# Altium PCB Shuttler_AMC.PcbDoc (part 7 of 12)
Units mm, origin at the board's own origin, x right, y up, seen from the top; angles counter-clockwise.
Board outline 180.71 x 148.55 mm, 12 copper layers (Layer 1, Layer 2, Layer 3, Layer 4, Layer 5, Layer 6, Layer 7, Layer 8, Layer 9, Layer 10, Layer 11, Layer 12), stack 2.14 mm thick; 1184 components, 1698 nets, 9088 pads, 920 vias.
Unrouted connection lines stored in the file: 1441.
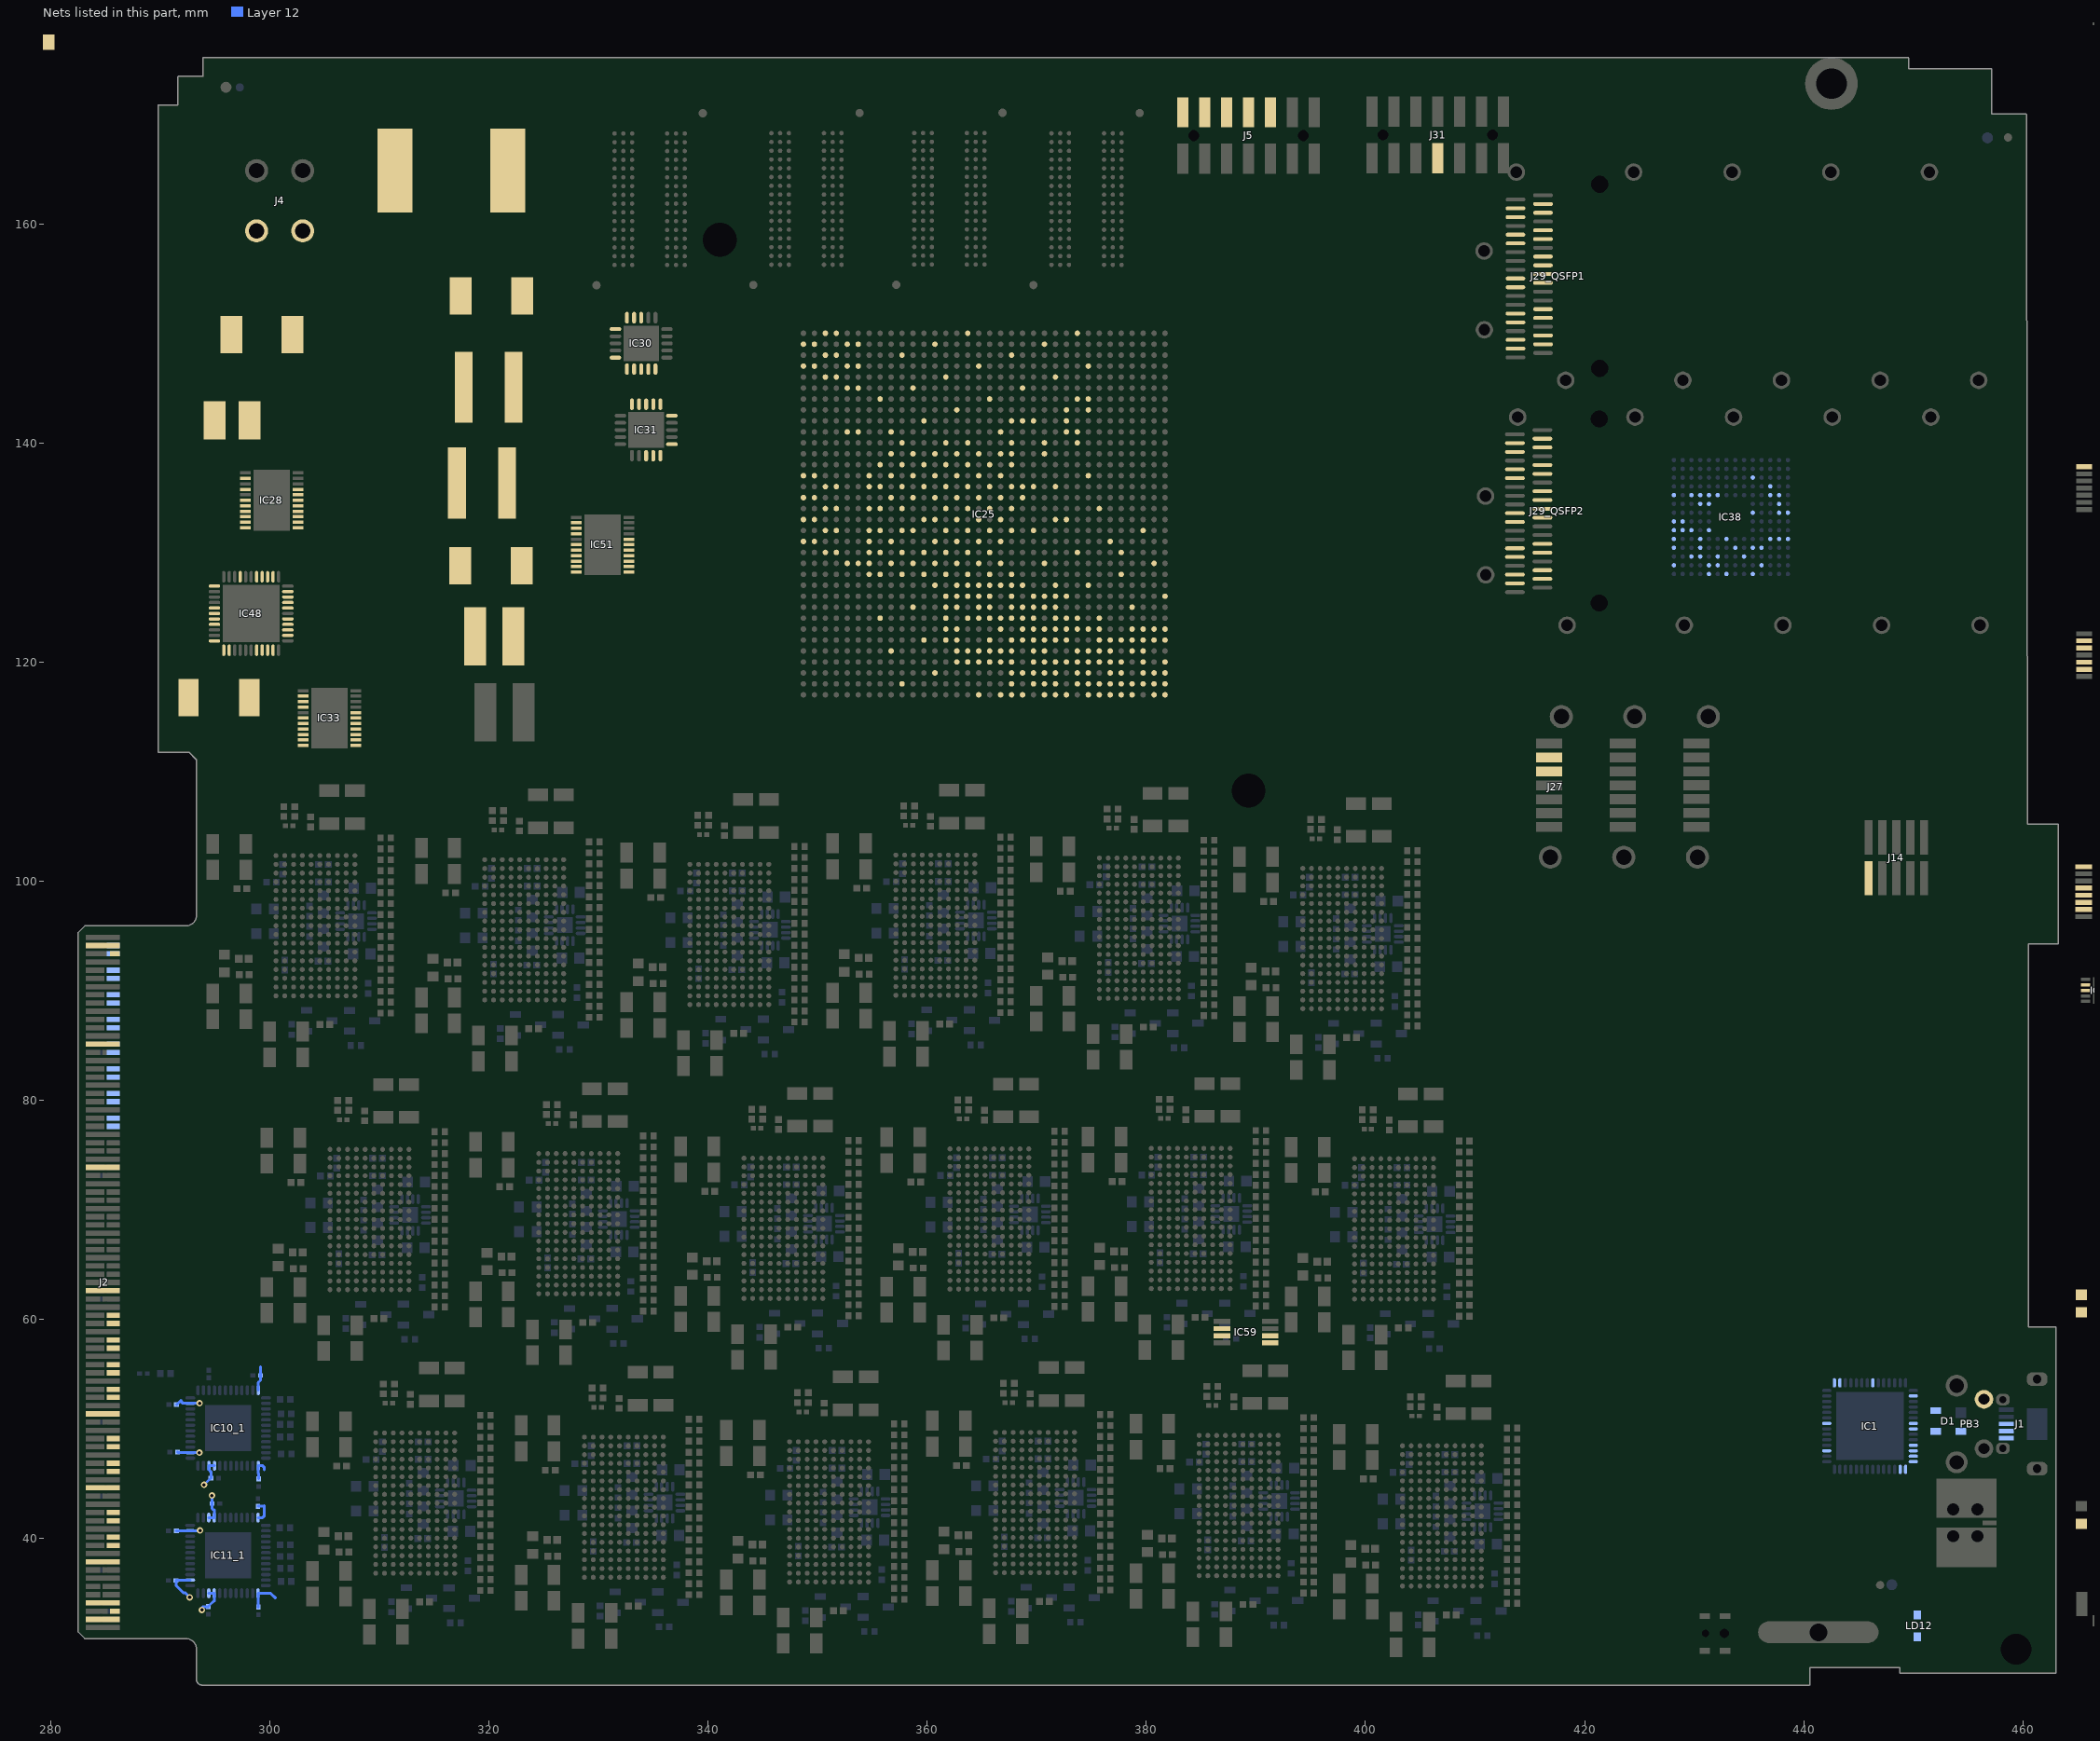
[diagram p13: the nets of this part, all layers, seen from the top]

## Via types
v1: diameter 0.356, hole 0.155, Layer 1 to Layer 12, 431 vias
v2: diameter 0.3, hole 0.1, Layer 1 to Layer 12, 429 vias
v3: diameter 0.6, hole 0.3, Layer 1 to Layer 12, 38 vias
v4: diameter 0.406, hole 0.203, Layer 1 to Layer 12, 22 vias

## Nets (pads, with @x,y where several pads share a name; then routed paths per layer and width w, separated by ;. In a path a pad name is that pad's centre, name@x,y a point inside that pad or via, vN(x,y) a via of type N, cw(c..) or ccw(c..) an arc to the next point about the centre after c; other vN are vias at no path point) (continued)
NetOSC4_4: 
NetR46_1: 
NetR46_2: 
NetR188_2: 
NetR190_2: 
NetR191_2: 
NetR216_2: 
NetR229_2: 
NetR241_2: 
NetR247_1: 
NetR312_2: 
NetR335_1: 
NetR336_2: 
NetR337_2: 
NetR338_2: 
NetR339_1: 
NetR364_Amplifier1_2: 
NetR364_Amplifier2_2: 
NetR364_Amplifier3_2: 
NetR364_Amplifier4_2: 
NetR364_Amplifier5_2: 
NetR364_Amplifier6_2: 
NetR364_Amplifier7_2: 
NetR364_Amplifier8_2: 
NetR364_Amplifier9_2: 
NetR364_Amplifier10_2: 
NetR364_Amplifier11_2: 
NetR364_Amplifier12_2: 
NetR364_Amplifier13_2: 
NetR364_Amplifier14_2: 
NetR364_Amplifier15_2: 
NetR364_Amplifier16_2: 
NetR364_Amplifier17_2: 
NetR364_Amplifier18_2: 
NetR384_2: 
NetR397_2: 
NetR404_2: 
NetR522_2: 
NetT23_2: 
OSC1_PWR: L35.1
OSC2_PWR: L36.1
OUT_N: IC56.29
OUT_P: IC56.30
OVERTEMPn: IC8.3 IC34.3 IC35.3 IC36.3 IC37.6 IC38.F11
P0V9: L25.2
P0V95: IC30.1 IC30.18 IC30.19 IC30.20 L23.1
P1: IC38.G5
P1V0: L40.1
P1V2: IC30.5 IC30.6 IC30.7 IC30.8 IC31.1 IC31.18 IC31.19 IC31.20 L24.1
P1V5: IC18.2 IC25.AD17 IC25.AE14 IC25.AE24 IC25.AF21 IC25.AG18 IC25.AG28 IC25.AH15 IC25.AH25 IC25.AJ22 IC25.AJ32 IC25.AK19 IC25.AK29 IC25.AL16 IC25.AL26 IC25.AM23 IC25.AM33 IC25.AN20 IC25.AN30 IC25.AP17 IC25.AP27 IC74.2 IC74.10 IC75.2 IC75.10 L22.2 L39.2
P1V5_LDO_IN: IC31.5 IC31.6 IC31.7 IC31.8 L39.1
P1V8: IC25.A16 IC25.A26 IC25.AA26 IC25.AB23 IC25.AB33 IC25.AC20 IC25.AC30 IC25.AD27 IC25.AE34 IC25.AF11 IC25.AF31 IC25.AG8 IC25.AJ12 IC25.AK9 IC25.AM13 IC25.AN10 IC25.B13 IC25.B23 IC25.C10 IC25.C20 IC25.D17 IC25.D27 IC25.E14 IC25.E24 IC25.F11 IC25.F21 IC25.G8 IC25.G18 IC25.H15 IC25.J12 IC25.K9 IC25.K19 IC25.L16 IC25.T21 IC25.U28 IC25.V25 IC25.W22 IC25.W32 IC25.Y29 IC43.2 L16.2 L20.2 L21.1 L45.2
P1V8_REF: IC27.6 IC61.6 IC63.6
P1V8_USB: IC1.2 IC1.31 IC1.43
P1V25_REF: IC59.6 IC59.7
P2: IC38.D3
P2_BLUE: 
P2V5: L46.2
P2V5_CLK1: IC4.9 IC4.10 L11.2
P2V5_CLK2: IC7.9 IC7.10 L12.2
P2V5_SI0: IC20.12 IC20.34 IC20.44 L11.1
P2V5_SI1: IC22.12 IC22.34 IC22.44 L12.1
P3: IC38.E3
P3_GREEN: LD12.1
P3V0: 
P3V3: C27.1 C29.1 C30.1 C31.1 C32.1 C33.1 C34.1 C35.1 C36.1 C37.1 C38.1 IC10_1.2 IC10_1.11 IC10_1.24 IC10_1.37 IC10_1.45 IC10_1.46 IC11_1.2 IC11_1.11 IC11_1.15 IC11_1.16 IC11_1.24 IC11_1.37 IC11_1.45 IC11_1.46 IC14.16 IC18.7 IC18.10 IC23.2 IC24.2 IC25.AB9 IC25.H25 IC25.J22 IC25.L26 IC25.M23 IC25.N20 IC25.P27 IC25.R24 IC25.W7 IC25.Y9 IC27.9 IC27.10 IC27.11 IC27.12 IC32.6 IC40.6 IC43.7 IC43.10 IC50.1 IC55_QSFP1.2 IC55_QSFP1.16 IC55_QSFP2.2 IC55_QSFP2.16 IC59.1 IC59.2 IC61.9 IC61.10 IC61.11 IC61.12 IC63.9 IC63.10 IC63.11 IC63.12 IC64.1 IC64.2 IC65.3 IC65.12 IC66.3 IC66.12 IC66.14 IC67.3 IC67.12 IC67.15 IC68.3 IC68.12 IC68.14 IC68.15 IC69.3 IC69.12 IC69.16 IC70.16 IC71.1 IC71.16 IC74.19 IC75.19 IC76.36 J5.2 L4.1 L13.1 L19.2 L35.2 L36.2 L51_QSFP2.1 L52_QSFP2.1 L53_QSFP2.1 L54.2 L55.2 | length 27.6
  Layer 12 w0.254: C35.1@291.467,40.725 292.025,40.725 292.03,40.72 IC11_1.11@292.734,40.72 293.609,40.72 v3(293.631,40.742) ; C29.1@291.489,52.237 291.514,52.237 291.894,52.616 291.968,52.542 291.968,52.431 292.046,52.354 IC10_1.11@292.75,52.354 v3(293.596,52.354) ; C30.1@291.575,47.914 291.636,47.854 IC10_1.2@292.75,47.854 v3(293.576,47.854) ; v3(292.689,34.654) 292.297,35.046 292.136,35.046 291.444,35.738 C36.1@291.444,36.192 292.001,36.192 292.03,36.22 IC11_1.2@292.734,36.22 ; v3(293.814,33.5) 293.814,33.674 293.939,33.798 C38.1@294.393,33.798 294.393,33.823 294.772,34.203 294.82,34.203 294.934,34.316 IC11_1.45@294.934,35.02 IC11_1.46@294.434,35.02 ; v3(294.004,44.923) 294.607,45.526 C31.1@294.632,45.526 294.632,46.1 294.45,46.282 IC10_1.46@294.45,46.654 IC10_1.45@294.95,46.654 ; IC11_1.15@294.434,41.92 IC11_1.16@294.934,41.92 294.934,42.624 294.847,42.624 294.723,42.748 C34.1@294.723,43.202 v3(294.723,43.934) ; C33.1@298.932,42.954 299.454,42.954 299.508,43.009 299.508,42.091 299.338,41.92 IC11_1.24@298.934,41.92 ; IC10_1.24@298.95,53.554 298.95,54.258 299.147,54.455 299.152,54.455 C27.1@299.151,54.909 299.152,55.71 ; C37.1@298.957,33.757 298.957,34.264 298.934,34.288 IC11_1.37@298.934,35.02 300.08,35.02 300.527,34.573 ; C32.1@298.988,45.467 298.988,45.946 298.953,45.946 298.95,45.95 IC10_1.37@298.95,46.654 299.354,46.654 299.476,46.531 299.476,46.31
P3V3_CDR: IC57.9 IC57.10 L14.2 L15.1 L27.1
P3V3_CLK: IC13.9 IC13.10 IC19.1 IC19.10 IC19.17 IC19.35 IC19.36 IC19.39
P3V3_CLKDIS1: IC21.9 IC21.10 L9.2 L10.2
P3V3_CLKDIS1F: IC17.10 IC17.15 IC17.16 IC17.25 IC17.26 IC17.31 L10.1
P3V3_CLKDIS2F: IC12.10 IC12.15 IC12.16 IC12.25 IC12.26 IC12.31 L9.1
P3V3_CLKDIS3F: IC56.10 IC56.15 IC56.16 IC56.25 IC56.26 IC56.31 L14.1
P3V3_REF: IC58.6 IC60.4 IC64.6 IC64.7
P3V3_USB: IC1.16 IC1.36 IC1.44 IC1.50 IC2.6 IC2.8 IC32.1 IC32.7 IC32.10 IC40.7 IC40.10 IC49.11 IC50.11 L2.1 L3.1 L26.2
P3V3MP: IC6.5 IC6.6 IC8.6 IC8.7 IC8.8 IC9.21 IC16.16 IC34.7 IC34.8 IC35.6 IC35.8 IC36.5 IC36.6 IC36.7 IC36.8 IC37.1 IC38.C5 IC38.E2 IC38.E9 IC38.E10 IC38.E12 IC38.G1 IC38.J14 IC38.K1 IC38.K8 IC38.L4 IC38.L11 IC38.N9 IC39.1 IC39.8 IC49.1 IC52.21 IC53.2 IC54.3 IC54.6 J2.4 J14.1 L38.2 LD12.2
P3V3MP_BUCK: IC41.8 IC41.10 L37.2
P3V3MP_LAVCC: IC38.F2 IC38.G2 L38.1
P3V3MP_SW: IC41.9 L37.1
P3VA: L29_Amplifier14.2
P4: IC38.L7
P4_RED: 
P4V0: L7.1 L32.1 L33.1 L34.2 L47.1 L48.1
P4V0_LDO_IN: IC57.1 IC57.2 IC57.3 IC57.6 L33.2
P5V0: IC27.7 IC27.8 IC30.10 IC31.10 IC58.7 IC58.8 IC58.9 IC58.10 IC58.11 IC58.12 IC60.5 IC60.7 IC60.8 IC61.7 IC61.8 IC63.7 IC63.8
P5V0_CLK: IC5.9 IC5.10 L5.2 L8.2
P5V0_DCDC: IC29.8 IC29.10 L28.2 L31.1
P6V0: L6.1 L31.2
P6V0_SW: IC29.9 L28.1
P12V0: IC28.12 IC28.13 IC28.14 IC28.15 IC28.16 IC28.17 IC29.2 IC33.12 IC33.13 IC33.14 IC33.15 IC33.16 IC33.17 IC48.41 IC51.12 IC51.13 IC51.14 IC51.15 IC51.16 IC51.17
P12V0_buck: IC41.2 IC41.3
P12V0_Molex: J4.3 J4.4
P12V0_OK: IC38.N4 IC54.1
P12V_R: IC28.19
PAYLOAD_PWR: J2.2 J2.9 J2.18 J2.27 J2.42 J2.57 J2.72 J2.84
PD0: IC70.4
PD1: IC70.5
PD2: IC70.6
PD3: IC70.7
PD4: IC70.9
PD5: IC70.10
PD6: IC70.11
PD7: IC70.12
PD8: IC71.4
PD9: IC71.5
PD10: IC71.6
PD11: IC71.7
PD12: IC71.9
PD13: IC71.10
PD14: IC71.11
PD15: IC71.12
PD16: IC69.10
PD17: IC69.13
PDN1: 
PDN2: 
PHY_AVDD33: IC76.20 IC76.25 J31.7 L54.1
PHY_MDC: IC76.7 IC77.2 IC77.9
PHY_MDIO: IC76.8 IC77.3 IC77.10
PM_CONTROL.EN_P2V5: IC38.M9 IC51.2
PM_CONTROL.EN_P4V0: IC33.2 IC38.P8
PM_CONTROL.EN_P6V0: IC38.N10
PM_CONTROL.EN_PSU_CH: IC38.K2 IC48.13
PM_CONTROL.EN_VCCINT: IC28.2 IC38.P10
PM_CONTROL.PGOOD_P2V5: IC38.L5 IC51.3
PM_CONTROL.PGOOD_P4V0: IC33.3 IC38.P5
PM_CONTROL.PGOOD_P6V0: IC29.7 IC38.M6
PM_CONTROL.PGOOD_VTT_DAC: IC38.K3 IC43.9
PM_I2C.SCL: IC9.13 IC48.12 IC52.13
PM_I2C.SDA: IC9.12 IC48.11 IC52.12
POR_override: IC25.P7
PORT0.Rx0_N: J2.15
PORT0.Rx0_P: J2.14
PORT0.Tx0_N: J2.12
PORT0.Tx0_P: J2.11
PRI_UART_RxD: IC25.K26
PRI_UART_TxD: IC25.J25
PRI_VUART_RxD: IC14.6 IC50.2
PRI_VUART_TxD: IC14.3 IC50.3
PROG_TCK: IC16.10 J5.6
PROG_TDI: IC16.3 J5.10
PROG_TDO: IC16.6 J5.8
PROG_TMS: IC16.13 J5.4
PROG_TRSTn: 
PS0#: J2.83
PS1#: J2.3
PSS_XRP_BST1: IC48.35
PSS_XRP_BST2: IC48.29
PSS_XRP_BST3: IC48.24
PSS_XRP_BST4: IC48.18
PSS_XRP_GH1: IC48.36
PSS_XRP_GH2: IC48.30
PSS_XRP_GH3: IC48.25
PSS_XRP_GH4: IC48.19
PSS_XRP_GL1: IC48.38
PSS_XRP_GL2: IC48.32
PSS_XRP_GL3: IC48.27
PSS_XRP_GL4: IC48.21
PSS_XRP_LDO3_3: IC48.1
PSS_XRP_LX1: IC48.37 L41.1
PSS_XRP_LX2: IC48.31 L42.1
PSS_XRP_LX3: IC48.26 L43.1
PSS_XRP_LX4: IC48.20 L44.1
PUDC: IC25.R7
QSFP0.RX0_N: IC25.P1 J29_QSFP2.18
QSFP0.RX0_P: IC25.P2 J29_QSFP2.17
QSFP0.RX1_N: IC25.T1 J29_QSFP2.22
QSFP0.RX1_P: IC25.T2 J29_QSFP2.21
QSFP0.RX2_N: IC25.V1 J29_QSFP2.15
QSFP0.RX2_P: IC25.V2 J29_QSFP2.14
QSFP0.RX3_N: IC25.Y1 J29_QSFP2.25
QSFP0.RX3_P: IC25.Y2 J29_QSFP2.24
QSFP0.TX0_N: IC25.R3 J29_QSFP2.37
QSFP0.TX0_P: IC25.R4 J29_QSFP2.36
QSFP0.TX1_N: IC25.U3 J29_QSFP2.3
QSFP0.TX1_P: IC25.U4 J29_QSFP2.2
QSFP0.TX2_N: IC25.W3 J29_QSFP2.34
QSFP0.TX2_P: IC25.W4 J29_QSFP2.33
QSFP0.TX3_N: IC25.AA3 J29_QSFP2.6
QSFP0.TX3_P: IC25.AA4 J29_QSFP2.5
QSFP0_I2C.SCL: IC9.2 IC52.2 IC55_QSFP2.14 J29_QSFP2.11
QSFP0_I2C.SDA: IC9.1 IC52.1 IC55_QSFP2.15 J29_QSFP2.12
QSFP1.RX0_N: IC25.A3 J29_QSFP1.18
QSFP1.RX0_P: IC25.A4 J29_QSFP1.17
QSFP1.RX1_N: IC25.B1 J29_QSFP1.22
QSFP1.RX1_P: IC25.B2 J29_QSFP1.21
QSFP1.RX2_N: IC25.D1 J29_QSFP1.15
QSFP1.RX2_P: IC25.D2 J29_QSFP1.14
QSFP1.RX3_N: IC25.E3 J29_QSFP1.25
QSFP1.RX3_P: IC25.E4 J29_QSFP1.24
QSFP1.TX0_N: IC25.B5 J29_QSFP1.37
QSFP1.TX0_P: IC25.B6 J29_QSFP1.36
QSFP1.TX1_N: IC25.C3 J29_QSFP1.3
QSFP1.TX1_P: IC25.C4 J29_QSFP1.2
QSFP1.TX2_N: IC25.D5 J29_QSFP1.34
QSFP1.TX2_P: IC25.D6 J29_QSFP1.33
QSFP1.TX3_N: IC25.F5 J29_QSFP1.6
QSFP1.TX3_P: IC25.F6 J29_QSFP1.5
QSFP1_I2C.SCL: IC9.4 IC52.4 IC55_QSFP1.14 J29_QSFP1.11
QSFP1_I2C.SDA: IC9.3 IC52.3 IC55_QSFP1.15 J29_QSFP1.12
QSFP_VCC1_QSFP1: J29_QSFP1.30
QSFP_VCC1_QSFP2: J29_QSFP2.30 L53_QSFP2.2
QSFP_VCCRX_QSFP1: J29_QSFP1.10
QSFP_VCCRX_QSFP2: J29_QSFP2.10 L51_QSFP2.2
QSFP_VCCTX_QSFP1: J29_QSFP1.29
QSFP_VCCTX_QSFP2: J29_QSFP2.29 L52_QSFP2.2
QSPI0_CS_B: IC23.7 IC25.U7 IC42.1
QSPI0_IO0: IC23.15 IC25.AC7 IC42.11
QSPI0_IO1: IC23.8 IC25.AB7 IC42.8
QSPI0_IO2: IC23.9 IC25.AA7
QSPI0_IO3: IC23.1 IC25.Y7
QSPI1_CS_B: IC24.7 IC25.G26
QSPI1_IO0: IC24.15 IC25.M20
QSPI1_IO1: IC24.8 IC25.L20
QSPI1_IO2: IC24.9 IC25.R21
QSPI1_IO3: IC24.1 IC25.R22
RE_33_DE_RX_P17: IC75.18
RE_33_DE_RX_P18: IC75.16
RE_33_DE_RX_P19: IC75.14
RE_33_DE_RX_P20: IC75.12
RE_33_DE_TX_P17: IC74.18
RE_33_DE_TX_P18: IC74.16
RE_33_DE_TX_P19: IC74.14
RE_33_DE_TX_P20: IC74.12
REC_CLOCK: IC25.H27
REC_CLOCK_C: 
REC_CLOCK_N: IC26.17
REC_CLOCK_P: IC26.16
REF_CLK_SEL: IC17.32 IC25.G27
REFCLK224_C_N: IC25.K5
REFCLK224_C_P: IC25.K6
REFCLK227_C_N: IC25.AB5
REFCLK227_C_P: IC25.AB6
ResetL_QSFP1: IC55_QSFP1.9 J29_QSFP1.9
ResetL_QSFP2: IC55_QSFP2.9 J29_QSFP2.9
RF_N: IC19.28
RF_P: IC19.29
RFC_N: IC12.2
RFC_P: IC12.1
RX0C_N: IC76.2
RX0C_P: IC76.1
Rx1_N: J2.24
Rx1_P: J2.23
Rx2_N: J2.33
Rx2_P: J2.32
Rx3_N: J2.39
Rx3_P: J2.38
RX8_N: J2.87
RX8_P: J2.88
RX9_N: J2.93
RX9_P: J2.94
RX10_N: J2.99
RX10_P: J2.100
RX11_N: J2.105
RX11_P: J2.106
SCK_0: IC65.11
SCK_4: IC66.11
SCK_8: IC67.11
SCK_12: IC68.11
SCK_16: IC69.11
SCL3: IC9.8 IC52.8
SCL7: IC9.17 IC52.17
SDA3: IC9.7 IC52.7
SDA7: IC9.16 IC52.16
SDCLK: IC38.J10
SDCMD: IC38.K14
SDDAT0: IC38.L14
SDDAT1: IC38.M12
SDDAT2: IC38.N14
SDDAT3: IC38.M11
SDPWR: IC38.K11
SDRAM_DDR3_x64.DDR3_64_A0: IC25.AE17
SDRAM_DDR3_x64.DDR3_64_A1: IC25.AL17
SDRAM_DDR3_x64.DDR3_64_A2: IC25.AG16
SDRAM_DDR3_x64.DDR3_64_A3: IC25.AG17
SDRAM_DDR3_x64.DDR3_64_A4: IC25.AD16
SDRAM_DDR3_x64.DDR3_64_A5: IC25.AH14
SDRAM_DDR3_x64.DDR3_64_A6: IC25.AD15
SDRAM_DDR3_x64.DDR3_64_A7: IC25.AK15
SDRAM_DDR3_x64.DDR3_64_A8: HS1.2 IC25.AF14
SDRAM_DDR3_x64.DDR3_64_A9: IC25.AF15
SDRAM_DDR3_x64.DDR3_64_A10: IC25.AL18
SDRAM_DDR3_x64.DDR3_64_A11: IC25.AL15
SDRAM_DDR3_x64.DDR3_64_A12: IC25.AE18
SDRAM_DDR3_x64.DDR3_64_A13: IC25.AJ15
SDRAM_DDR3_x64.DDR3_64_A14: IC25.AG14
SDRAM_DDR3_x64.DDR3_64_BA0: IC25.AF17
SDRAM_DDR3_x64.DDR3_64_BA1: IC25.AD19
SDRAM_DDR3_x64.DDR3_64_BA2: IC25.AD18
SDRAM_DDR3_x64.DDR3_64_CAS_N: IC25.AK18
SDRAM_DDR3_x64.DDR3_64_CK_N: IC25.AE15
SDRAM_DDR3_x64.DDR3_64_CK_P: IC25.AE16
SDRAM_DDR3_x64.DDR3_64_CKE: IC25.AL19
SDRAM_DDR3_x64.DDR3_64_CS_N: IC25.AF18
SDRAM_DDR3_x64.DDR3_64_DM0: IC25.AD21
SDRAM_DDR3_x64.DDR3_64_DM1: IC25.AE25
SDRAM_DDR3_x64.DDR3_64_DM2: IC25.AJ21
SDRAM_DDR3_x64.DDR3_64_DM3: IC25.AM21
SDRAM_DDR3_x64.DDR3_64_DM4: IC25.AH26
SDRAM_DDR3_x64.DDR3_64_DM5: IC25.AN26
SDRAM_DDR3_x64.DDR3_64_DM6: IC25.AJ29
SDRAM_DDR3_x64.DDR3_64_DM7: IC25.AL32
SDRAM_DDR3_x64.DDR3_64_DQ0: IC25.AE23
SDRAM_DDR3_x64.DDR3_64_DQ1: IC25.AG20
SDRAM_DDR3_x64.DDR3_64_DQ2: IC25.AF22
SDRAM_DDR3_x64.DDR3_64_DQ3: IC25.AF20
SDRAM_DDR3_x64.DDR3_64_DQ4: IC25.AE22
SDRAM_DDR3_x64.DDR3_64_DQ5: IC25.AD20
SDRAM_DDR3_x64.DDR3_64_DQ6: IC25.AG22
SDRAM_DDR3_x64.DDR3_64_DQ7: IC25.AE20
SDRAM_DDR3_x64.DDR3_64_DQ8: IC25.AJ24
SDRAM_DDR3_x64.DDR3_64_DQ9: IC25.AG24
SDRAM_DDR3_x64.DDR3_64_DQ10: IC25.AJ23
SDRAM_DDR3_x64.DDR3_64_DQ11: IC25.AF23
SDRAM_DDR3_x64.DDR3_64_DQ12: IC25.AH23
SDRAM_DDR3_x64.DDR3_64_DQ13: IC25.AF24
SDRAM_DDR3_x64.DDR3_64_DQ14: IC25.AH22
SDRAM_DDR3_x64.DDR3_64_DQ15: IC25.AG25
SDRAM_DDR3_x64.DDR3_64_DQ16: IC25.AL22
SDRAM_DDR3_x64.DDR3_64_DQ17: IC25.AL25
SDRAM_DDR3_x64.DDR3_64_DQ18: IC25.AM20
SDRAM_DDR3_x64.DDR3_64_DQ19: IC25.AK23
SDRAM_DDR3_x64.DDR3_64_DQ20: IC25.AK22
SDRAM_DDR3_x64.DDR3_64_DQ21: IC25.AL24
SDRAM_DDR3_x64.DDR3_64_DQ22: IC25.AL20
SDRAM_DDR3_x64.DDR3_64_DQ23: IC25.AL23
SDRAM_DDR3_x64.DDR3_64_DQ24: IC25.AM24
SDRAM_DDR3_x64.DDR3_64_DQ25: IC25.AN23
SDRAM_DDR3_x64.DDR3_64_DQ26: IC25.AN24
SDRAM_DDR3_x64.DDR3_64_DQ27: IC25.AP23
SDRAM_DDR3_x64.DDR3_64_DQ28: IC25.AP25
SDRAM_DDR3_x64.DDR3_64_DQ29: IC25.AN22
SDRAM_DDR3_x64.DDR3_64_DQ30: IC25.AP24
SDRAM_DDR3_x64.DDR3_64_DQ31: IC25.AM22
SDRAM_DDR3_x64.DDR3_64_DQ32: IC25.AH28
SDRAM_DDR3_x64.DDR3_64_DQ33: IC25.AK26
SDRAM_DDR3_x64.DDR3_64_DQ34: IC25.AK28
SDRAM_DDR3_x64.DDR3_64_DQ35: IC25.AM27
SDRAM_DDR3_x64.DDR3_64_DQ36: IC25.AJ28
SDRAM_DDR3_x64.DDR3_64_DQ37: IC25.AH27
SDRAM_DDR3_x64.DDR3_64_DQ38: IC25.AK27
SDRAM_DDR3_x64.DDR3_64_DQ39: IC25.AM26
SDRAM_DDR3_x64.DDR3_64_DQ40: IC25.AL30
SDRAM_DDR3_x64.DDR3_64_DQ41: IC25.AP29
SDRAM_DDR3_x64.DDR3_64_DQ42: IC25.AM30
SDRAM_DDR3_x64.DDR3_64_DQ43: IC25.AN28
SDRAM_DDR3_x64.DDR3_64_DQ44: IC25.AL29
SDRAM_DDR3_x64.DDR3_64_DQ45: IC25.AP28
SDRAM_DDR3_x64.DDR3_64_DQ46: IC25.AM29
SDRAM_DDR3_x64.DDR3_64_DQ47: IC25.AN27
SDRAM_DDR3_x64.DDR3_64_DQ48: IC25.AH31
SDRAM_DDR3_x64.DDR3_64_DQ49: IC25.AH32
SDRAM_DDR3_x64.DDR3_64_DQ50: IC25.AJ34
SDRAM_DDR3_x64.DDR3_64_DQ51: IC25.AK31
SDRAM_DDR3_x64.DDR3_64_DQ52: IC25.AJ31
SDRAM_DDR3_x64.DDR3_64_DQ53: IC25.AJ30
SDRAM_DDR3_x64.DDR3_64_DQ54: IC25.AH34
SDRAM_DDR3_x64.DDR3_64_DQ55: IC25.AK32
SDRAM_DDR3_x64.DDR3_64_DQ56: IC25.AN33
SDRAM_DDR3_x64.DDR3_64_DQ57: IC25.AP33
SDRAM_DDR3_x64.DDR3_64_DQ58: IC25.AM34
SDRAM_DDR3_x64.DDR3_64_DQ59: IC25.AP31
SDRAM_DDR3_x64.DDR3_64_DQ60: IC25.AM32
SDRAM_DDR3_x64.DDR3_64_DQ61: IC25.AN31
SDRAM_DDR3_x64.DDR3_64_DQ62: IC25.AL34
SDRAM_DDR3_x64.DDR3_64_DQ63: IC25.AN32
SDRAM_DDR3_x64.DDR3_64_DQS0_N: IC25.AH21
SDRAM_DDR3_x64.DDR3_64_DQS0_P: IC25.AG21
SDRAM_DDR3_x64.DDR3_64_DQS1_N: IC25.AJ25
SDRAM_DDR3_x64.DDR3_64_DQS1_P: IC25.AH24
SDRAM_DDR3_x64.DDR3_64_DQS2_N: IC25.AK20
SDRAM_DDR3_x64.DDR3_64_DQS2_P: IC25.AJ20
SDRAM_DDR3_x64.DDR3_64_DQS3_N: IC25.AP21
SDRAM_DDR3_x64.DDR3_64_DQS3_P: IC25.AP20
SDRAM_DDR3_x64.DDR3_64_DQS4_N: IC25.AL28
SDRAM_DDR3_x64.DDR3_64_DQS4_P: IC25.AL27
SDRAM_DDR3_x64.DDR3_64_DQS5_N: IC25.AP30
SDRAM_DDR3_x64.DDR3_64_DQS5_P: IC25.AN29
SDRAM_DDR3_x64.DDR3_64_DQS6_N: IC25.AJ33
SDRAM_DDR3_x64.DDR3_64_DQS6_P: IC25.AH33
SDRAM_DDR3_x64.DDR3_64_DQS7_N: IC25.AP34
SDRAM_DDR3_x64.DDR3_64_DQS7_P: IC25.AN34
SDRAM_DDR3_x64.DDR3_64_ODT: IC25.AJ18
SDRAM_DDR3_x64.DDR3_64_RAS_N: IC25.AH19
SDRAM_DDR3_x64.DDR3_64_RST_N: IC25.AJ14
SDRAM_DDR3_x64.DDR3_64_WE_N: IC25.AG19
SDRAM_PGOOD: IC18.9 IC38.E14
SDRAM_REFIN: IC18.1
SEL_RGMII: IC38.E11 IC77.5 IC77.6
SENS_I2C.SCL: IC8.2 IC9.15 IC34.2 IC35.2 IC36.2 IC37.4 IC39.6 IC52.15
SENS_I2C.SDA: IC8.1 IC9.14 IC34.1 IC35.1 IC36.1 IC37.5 IC39.5 IC52.14
SI5324_I2C.SCL: IC9.11 IC26.22 IC52.11
SI5324_I2C.SDA: IC9.10 IC26.23 IC52.10
SI5324_INT_ALM: IC25.K25 IC26.3
SI5324_RST: IC25.L23 IC26.1
SI5324_VDD: IC26.5 IC26.10 IC26.32
SI5328_XTAL_XA: IC26.6 Q2.3
SI5328_XTAL_XB: IC26.7 Q2.1
SSP0.MISO: IC38.J12 IC53.8
SSP0.MOSI: IC38.J13 IC53.15
SSP0.SCK: IC38.H13 IC53.16
SSP0.SSEL: IC38.H14 IC53.7
SUP1.0_FILT: 
SUP1.0_LL: IC28.6 IC28.7 IC28.8 IC28.9 IC28.10 IC28.11 L25.1
SUP1.0_VBST: IC28.4
SUP1.0_VBSTR: 
SUP1.0_VREG: IC28.18
SUP2.0_FILT: 
SUP2.0_LL: IC33.6 IC33.7 IC33.8 IC33.9 IC33.10 IC33.11 L34.1
SUP2.0_VBST: IC33.4
SUP2.0_VBSTR: 
SUP2.0_VREG: IC33.18
SUP3.0_FILT: 
SUP3.0_LL: IC51.6 IC51.7 IC51.8 IC51.9 IC51.10 IC51.11 L46.1
SUP3.0_VBST: IC51.4
SUP3.0_VBSTR: 
SUP3.0_VREG: IC51.18
SW: IC38.F10 PB3.1
SYSCLK_300_N: IC25.AK16
SYSCLK_300_P: IC25.AK17
SYSMON_VN_R: IC25.W11
SYSMON_VP_R: IC25.V12
TCLK_A_N: J10.1
TCLK_A_P: J11.1
TCLK_B_N: J12.1
TCLK_B_P: J15.1
TCLKA_N: 
TCLKA_P: 
TCLKB_N: 
TCLKB_P: 
TPS74401RGW_PG1: IC30.9
TPS74401RGW_PG2: IC31.9
TSTP_0_N: 
TSTP_0_P: 
TSTP_1_N: 
TSTP_1_P: 
TSTP_2_N: 
TSTP_2_P: 
TSTP_3_N: 
TSTP_3_P: 
TSTP_4_N: 
TSTP_4_P: 
TSTP_5_N: 
TSTP_5_P: 
TSTP_6_N: 
TSTP_6_P: 
TSTP_7_N: 
TSTP_7_P: 
TSTP_8_N: 
TSTP_8_P: 
TSTP_9_N: 
TSTP_9_P: 
TSTP_10_N: 
TSTP_10_P: 
TSTP_11_N: 
TSTP_11_P: 
TSTP_12_N: 
TSTP_12_P: 
TSTP_13_N: 
TSTP_13_P: 
TSTP_14_N: 
TSTP_14_P: 
TSTP_15_N: 
TSTP_15_P: 
TSTP_16_N: 
TSTP_16_P: 
TSTP_17_N: 
TSTP_17_P: 
TX0_N: J27.3
TX0_P: J27.2
TX0C_N: IC76.5
TX0C_P: IC76.4
Tx1_N: J2.21
Tx1_P: J2.20
Tx2_N: J2.30
Tx2_P: J2.29
Tx3_N: J2.36
Tx3_P: J2.35
TX8_N: J2.90
TX8_P: J2.91
TX9_N: J2.96
TX9_P: J2.97
TX10_N: J2.102
TX10_P: J2.103
TX11_N: J2.108
TX11_P: J2.109
USB_D_R_N: D1.3 IC1.7 J1.2
USB_D_R_P: D1.2 IC1.8 J1.3
USB_E_TCK: IC32.5
USB_E_TDI: IC32.4
USB_E_TDO: IC40.4
USB_E_TMS: IC40.5
USB_JTAG.TCK_PROG: IC1.12 IC32.8
USB_JTAG.TDI_PROG: IC1.13 IC32.9
USB_JTAG.TDO_PROG: IC1.14 IC40.9
USB_JTAG.TMS_PROG: IC1.15 IC40.8
USB_JTAG.USB_ACTIVE: 
USB_PRESENT: IC1.11 IC14.1
Vbias_1.6: 
VCC: IC42.14 IC77.14
VCCAUX: IC25.AA8 IC25.AB19 IC25.AC8 IC25.AC18 IC25.M19 IC25.N18 IC25.P19 IC25.R20 IC25.T19 IC25.U8 IC25.U20 IC25.V19 IC25.W8 IC25.W20 IC25.Y19 L21.2
VCCBRAM: IC25.AA18 IC25.AB17 IC25.V17 IC25.Y17 L23.2
VCCCP: IC19.3 IC19.7 L8.1
VCCINT: IC25.AA10 IC25.AA12 IC25.AA14 IC25.AA16 IC25.AB11 IC25.AB13 IC25.AB15 IC25.AC10 IC25.AC12 IC25.AC14 IC25.AC16 IC25.M9 IC25.M11 IC25.M13 IC25.M15 IC25.M17 IC25.N8 IC25.N10 IC25.N12 IC25.N14 IC25.N16 IC25.P9 IC25.P11 IC25.P13 IC25.P15 IC25.P17 IC25.R8 IC25.R10 IC25.R12 IC25.R14 IC25.R16 IC25.R18 IC25.T9 IC25.T11 IC25.T13 IC25.T15 IC25.T17 IC25.U10 IC25.U14 IC25.U16 IC25.U18 IC25.V13 IC25.V15 IC25.W10 IC25.W14 IC25.W16 IC25.W18 IC25.Y13 IC25.Y15
VDDO: IC76.11 IC76.49 IC76.52 L55.1
VOSNS: IC18.5
Vref47: IC25.V24
Vref48: IC25.AA30
Vref64: IC25.AD13
Vref65: IC25.J21
Vref66: IC25.L10
Vref67: IC25.J20
Vref68: IC25.L14
VRP_44: IC25.AD24
VRP_45: IC25.AP19
VRP_46: IC25.AG26
VTT64: IC18.3
VTT_DAC: IC43.3
VUSB: D1.4 J1.1 L1.1
XR77129ILB_F_VOUT1: IC48.5 L18.1 L40.2 L41.2
XR77129ILB_F_VOUT2: IC48.6 L19.1 L42.2
XR77129ILB_F_VOUT3: IC48.7 L20.1 L43.2
XR77129ILB_F_VOUT4: IC48.8 L22.1 L44.2
XREF_OUT: IC17.30
ZQ2: 